# KiCad board panel_rp2354_20x20.kicad_pcb
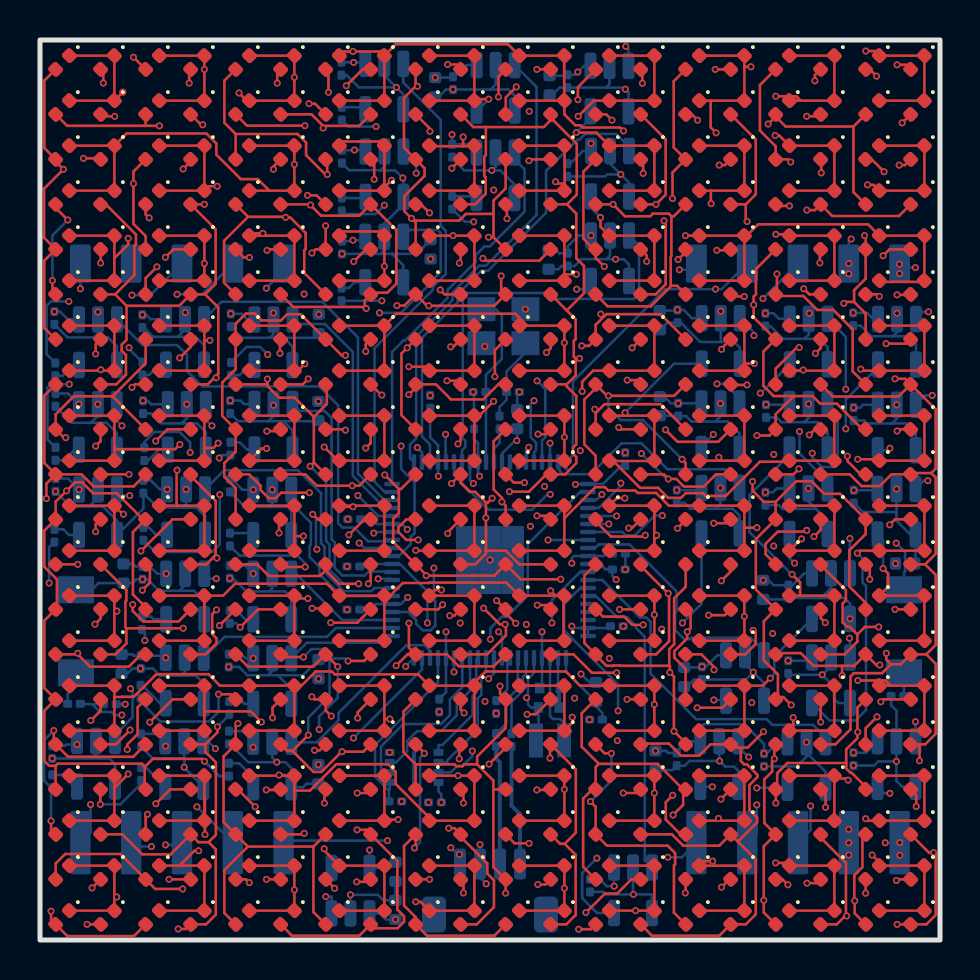
[diagram p0: board, top side]
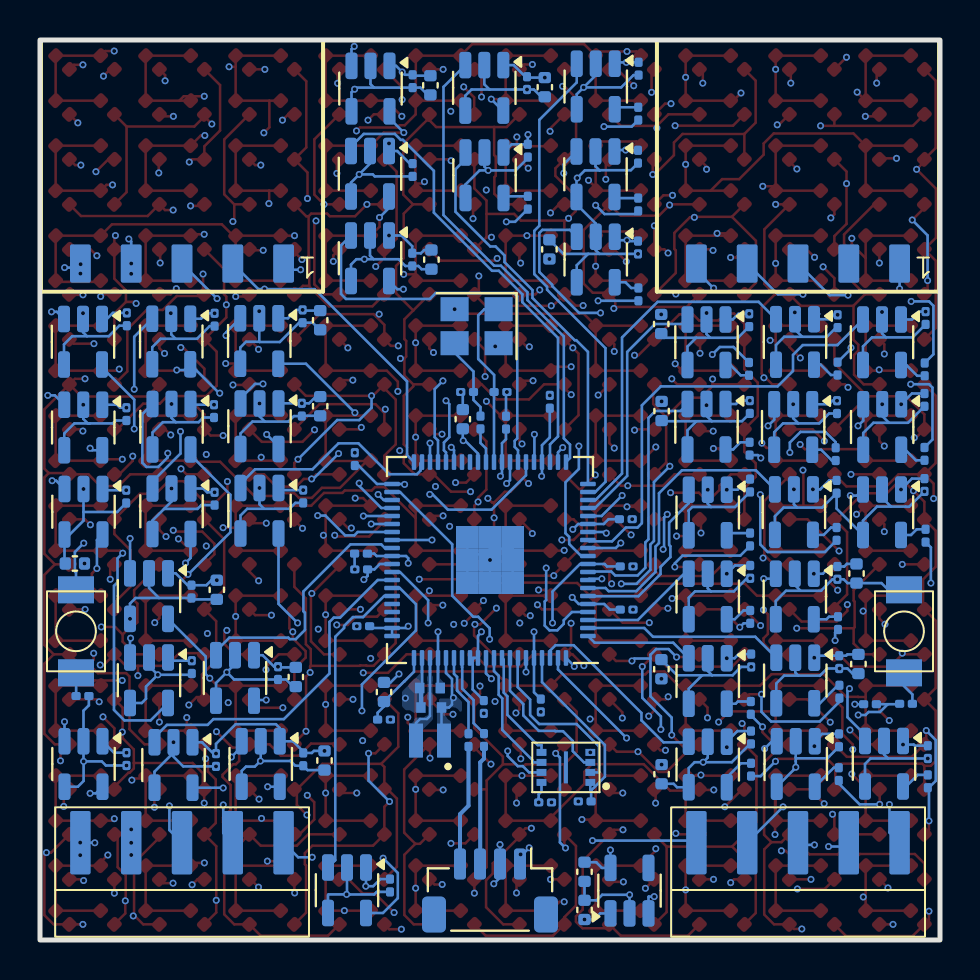
[diagram p1: board, bottom side, seen from below]

Outline 45 x 45 mm; copper layers: Top, In1.Cu (plane), In2.Cu (plane), In3.Cu, In4.Cu, Bottom. Coordinates in mm from the lower left corner of the outline.
Outline path: rectangle 0,45 45,0
Stack: Top 0.035mm / dielectric 0.1mm FR4 er 4.5 / In1.Cu 0.035mm / dielectric 0.535mm FR4 er 4.5 / In2.Cu 0.035mm / dielectric 0.1mm FR4 er 4.5 / In3.Cu 0.035mm / dielectric 0.535mm FR4 er 4.5 / In4.Cu 0.035mm / dielectric 0.1mm FR4 er 4.5 / Bottom 0.035mm

## Placement (name value [footprint] x y rotation side)
C1  15pF  [C_0201_0603Metric]  21.97 27.4 180 bottom
C2  15pF  [C_0201_0603Metric]  23.64 27.4 0 bottom
C3  100nF  [C_0201_0603Metric]  19.75 6.88 180 bottom
C4  4.7uF  [C_0402_1005Metric_small_pads]  25.5 12.6 0 bottom
C5  4.7uF  [C_0402_1005Metric_small_pads]  25.44 11.62 0 bottom
C6  100nF  [C_0201_0603Metric]  15.67 18.68 180 bottom
C7  4.7uF  [C_0402_1005Metric]  27.8 12.4 90 bottom
C8  4.7uF  [C_0402_1005Metric]  23.86 26.04 90 bottom
C9  100nF  [C_0201_0603Metric]  28.94 18.53 0 bottom
C10  100nF  [C_0201_0603Metric]  15.67 16.52 180 bottom
C11  100nF  [C_0201_0603Metric]  15.71 21.04 180 bottom
C12  100nF  [C_0201_0603Metric]  19.51 26.91 90 bottom
C13  100nF  [C_0201_0603Metric]  21.7 25.87 90 bottom
C14  100nF  [C_0201_0603Metric]  29.26 24.05 90 bottom
C15  100nF  [C_0201_0603Metric]  28.95 19.32 0 bottom
C16  100nF  [C_0201_0603Metric]  28.84 15.69 0 bottom
C17  100nF  [C_0201_0603Metric]  22.81 11.65 270 bottom
C18  100nF  [C_0201_0603Metric]  19.96 11.72 270 bottom
C19  100nF  [C_0201_0603Metric]  9.45 10.12 270 bottom
C20  100nF  [C_0201_0603Metric]  5.05 9.98 270 bottom
C21  100nF  [C_0201_0603Metric]  0.61 9.39 270 bottom
C22  100nF  [C_0201_0603Metric]  9.44 13.97 270 bottom
C23  100nF  [C_0201_0603Metric]  5.04 13.89 270 bottom
C24  100nF  [C_0201_0603Metric]  9.49 18.41 270 bottom
C25  100nF  [C_0201_0603Metric]  5.13 18.36 270 bottom
C26  100nF  [C_0201_0603Metric]  9.5 22.72 270 bottom
C27  100nF  [C_0201_0603Metric]  5.17 22.66 270 bottom
C28  100nF  [C_0201_0603Metric]  0.77 22.75 270 bottom
C29  100nF  [C_0201_0603Metric]  9.51 26.65 270 bottom
C30  100nF  [C_0201_0603Metric]  5.15 26.64 270 bottom
C31  100nF  [C_0201_0603Metric]  0.77 27 270 bottom
C32  100nF  [C_0201_0603Metric]  0.72 31.1 270 bottom
C33  100nF  [C_0201_0603Metric]  15.1 39.16 270 bottom
C34  100nF  [C_0201_0603Metric]  15.1 34.62 270 bottom
C35  100nF  [C_0201_0603Metric]  9.54 30.99 270 bottom
C36  100nF  [C_0201_0603Metric]  5.12 30.94 270 bottom
C37  100nF  [C_0201_0603Metric]  15.07 43.56 270 bottom
C38  100nF  [C_0201_0603Metric]  20.61 39.47 270 bottom
C39  100nF  [C_0201_0603Metric]  20.65 42.84 270 bottom
C40  100nF  [C_0201_0603Metric]  26.37 42.94 270 bottom
C41  100nF  [C_0201_0603Metric]  26.37 38.5 270 bottom
C42  100nF  [C_0201_0603Metric]  36.27 31.02 270 bottom
C43  100nF  [C_0201_0603Metric]  31.87 31.19 270 bottom
C44  100nF  [C_0201_0603Metric]  26.39 34.02 270 bottom
C45  100nF  [C_0201_0603Metric]  36.3 26.44 270 bottom
C46  100nF  [C_0201_0603Metric]  31.91 26.52 270 bottom
C47  100nF  [C_0201_0603Metric]  40.66 31.03 270 bottom
C48  100nF  [C_0201_0603Metric]  36.27 22.06 270 bottom
C49  100nF  [C_0201_0603Metric]  31.84 22.17 270 bottom
C50  100nF  [C_0201_0603Metric]  40.68 26.3 270 bottom
C51  100nF  [C_0201_0603Metric]  37.42 17.42 270 bottom
C52  100nF  [C_0201_0603Metric]  40.69 22.17 270 bottom
C53  100nF  [C_0201_0603Metric]  37.41 13.64 270 bottom
C54  100nF  [C_0201_0603Metric]  33.1 13.34 270 bottom
C55  100nF  [C_0201_0603Metric]  40.67 9.05 270 bottom
C56  100nF  [C_0201_0603Metric]  36.2 9 270 bottom
C57  100nF  [C_0201_0603Metric]  31.84 9.03 270 bottom
C58  100nF  [C_0201_0603Metric]  27.5 2.72 270 bottom
C59  10uF  [C_0402_1005Metric]  4.17 18.33 270 bottom
C60  10uF  [C_0402_1005Metric]  19.53 34.53 90 bottom
C61  10uF  [C_0402_1005Metric]  32.21 13.15 270 bottom
C62  10uF  [C_0402_1005Metric]  4.08 13.8 270 bottom
C63  10uF  [C_0402_1005Metric]  36.16 17.51 270 bottom
C64  10uF  [C_0402_1005Metric]  13.93 13.54 90 bottom
C65  10uF  [C_0402_1005Metric]  30.78 8.97 270 bottom
C66  10uF  [C_0402_1005Metric]  13.92 8.29 270 bottom
C67  10uF  [C_0402_1005Metric]  17.78 1.5 90 bottom
C68  10uF  [C_0402_1005Metric]  17.78 3.41 270 bottom
C69  10uF  [C_0402_1005Metric]  19.76 42.64 270 bottom
C70  10uF  [C_0402_1005Metric]  25.48 42.73 270 bottom
C71  10uF  [C_0402_1005Metric]  30.99 26.69 270 bottom
C72  10uF  [C_0402_1005Metric]  30.99 30.99 270 bottom
C73  10uF  [C_0402_1005Metric]  25.43 34.02 270 bottom
C74  10uF  [C_0402_1005Metric]  13.94 30.8 270 bottom
C75  10uF  [C_0402_1005Metric]  13.92 26.45 270 bottom
C76  10uF  [C_0402_1005Metric]  43.25 18.83 0 bottom
D1  LED_T0  [LED_0402_1005Metric]  1.12 43.88 225 top
D2  LED  [LED_0402_1005Metric]  1.12 39.38 225 top
D3  LED  [LED_0402_1005Metric]  1.12 34.88 225 top
D4  LED  [LED_0402_1005Metric]  1.12 30.38 225 top
D5  LED  [LED_0402_1005Metric]  1.12 25.88 225 top
D6  LED  [LED_0402_1005Metric]  1.12 21.38 225 top
D7  LED  [LED_0402_1005Metric]  1.12 16.88 225 top
D8  LED  [LED_0402_1005Metric]  1.12 12.38 225 top
D9  LED  [LED_0402_1005Metric]  1.12 7.88 225 top
D10  LED  [LED_0402_1005Metric]  1.12 3.38 225 top
D11  LED  [LED_0402_1005Metric]  5.62 3.38 225 top
D12  LED  [LED_0402_1005Metric]  5.62 7.88 225 top
D13  LED  [LED_0402_1005Metric]  5.62 12.38 225 top
D14  LED  [LED_0402_1005Metric]  5.62 16.88 225 top
D15  LED  [LED_0402_1005Metric]  5.62 21.38 225 top
D16  LED  [LED_0402_1005Metric]  5.62 25.88 225 top
D17  LED  [LED_0402_1005Metric]  5.62 30.38 225 top
D18  LED  [LED_0402_1005Metric]  5.62 34.88 225 top
D19  LED  [LED_0402_1005Metric]  5.62 39.38 225 top
D20  LED  [LED_0402_1005Metric]  5.62 43.88 225 top
D21  LED  [LED_0402_1005Metric]  3.38 43.88 225 top
D22  LED  [LED_0402_1005Metric]  3.38 39.38 225 top
D23  LED  [LED_0402_1005Metric]  3.38 34.88 225 top
D24  LED  [LED_0402_1005Metric]  3.38 30.38 225 top
D25  LED  [LED_0402_1005Metric]  3.38 25.88 225 top
D26  LED  [LED_0402_1005Metric]  3.38 21.38 225 top
D27  LED  [LED_0402_1005Metric]  3.38 16.88 225 top
D28  LED  [LED_0402_1005Metric]  3.38 12.38 225 top
D29  LED  [LED_0402_1005Metric]  3.38 7.88 225 top
D30  LED  [LED_0402_1005Metric]  3.38 3.38 225 top
D31  LED  [LED_0402_1005Metric]  7.88 3.38 225 top
D32  LED  [LED_0402_1005Metric]  7.88 7.88 225 top
D33  LED  [LED_0402_1005Metric]  7.88 12.38 225 top
D34  LED  [LED_0402_1005Metric]  7.88 16.88 225 top
D35  LED  [LED_0402_1005Metric]  7.88 21.38 225 top
D36  LED  [LED_0402_1005Metric]  7.88 25.88 225 top
D37  LED  [LED_0402_1005Metric]  7.88 30.38 225 top
D38  LED  [LED_0402_1005Metric]  7.88 34.88 225 top
D39  LED  [LED_0402_1005Metric]  7.88 39.38 225 top
D40  LED  [LED_0402_1005Metric]  7.88 43.88 225 top
D41  LED  [LED_0402_1005Metric]  1.12 41.62 225 top
D42  LED  [LED_0402_1005Metric]  1.12 37.12 225 top
D43  LED  [LED_0402_1005Metric]  1.12 32.62 225 top
D44  LED  [LED_0402_1005Metric]  1.12 28.12 225 top
D45  LED  [LED_0402_1005Metric]  1.12 23.62 225 top
D46  LED  [LED_0402_1005Metric]  1.12 19.12 225 top
D47  LED  [LED_0402_1005Metric]  1.12 14.62 225 top
D48  LED  [LED_0402_1005Metric]  1.12 10.12 225 top
D49  LED  [LED_0402_1005Metric]  1.12 5.62 225 top
D50  LED  [LED_0402_1005Metric]  1.12 1.12 225 top
D51  LED  [LED_0402_1005Metric]  5.62 1.12 225 top
D52  LED  [LED_0402_1005Metric]  5.62 5.62 225 top
D53  LED  [LED_0402_1005Metric]  5.62 10.12 225 top
D54  LED  [LED_0402_1005Metric]  5.62 14.62 225 top
D55  LED  [LED_0402_1005Metric]  5.62 19.12 225 top
D56  LED  [LED_0402_1005Metric]  5.62 23.62 225 top
D57  LED  [LED_0402_1005Metric]  5.62 28.12 225 top
D58  LED  [LED_0402_1005Metric]  5.62 32.62 225 top
D59  LED  [LED_0402_1005Metric]  5.62 37.12 225 top
D60  LED  [LED_0402_1005Metric]  5.62 41.62 225 top
D61  LED  [LED_0402_1005Metric]  3.38 41.62 225 top
D62  LED  [LED_0402_1005Metric]  3.38 37.12 225 top
D63  LED  [LED_0402_1005Metric]  3.38 32.62 225 top
D64  LED  [LED_0402_1005Metric]  3.38 28.12 225 top
D65  LED  [LED_0402_1005Metric]  3.38 23.62 225 top
D66  LED  [LED_0402_1005Metric]  3.38 19.12 225 top
D67  LED  [LED_0402_1005Metric]  3.38 14.62 225 top
D68  LED  [LED_0402_1005Metric]  3.38 10.12 225 top
D69  LED  [LED_0402_1005Metric]  3.38 5.62 225 top
D70  LED  [LED_0402_1005Metric]  3.38 1.12 225 top
D71  LED  [LED_0402_1005Metric]  7.88 1.12 225 top
D72  LED  [LED_0402_1005Metric]  7.88 5.62 225 top
D73  LED  [LED_0402_1005Metric]  7.88 10.12 225 top
D74  LED  [LED_0402_1005Metric]  7.88 14.62 225 top
D75  LED  [LED_0402_1005Metric]  7.88 19.12 225 top
D76  LED  [LED_0402_1005Metric]  7.88 23.62 225 top
D77  LED  [LED_0402_1005Metric]  7.88 28.12 225 top
D78  LED  [LED_0402_1005Metric]  7.88 32.62 225 top
D79  LED  [LED_0402_1005Metric]  7.88 37.12 225 top
D80  LED  [LED_0402_1005Metric]  7.88 41.62 225 top
D81  LED  [LED_0402_1005Metric]  10.12 43.88 225 top
D82  LED  [LED_0402_1005Metric]  10.12 39.38 225 top
D83  LED  [LED_0402_1005Metric]  10.12 34.88 225 top
D84  LED  [LED_0402_1005Metric]  10.12 30.38 225 top
D85  LED  [LED_0402_1005Metric]  10.12 25.88 225 top
D86  LED  [LED_0402_1005Metric]  10.12 21.38 225 top
D87  LED  [LED_0402_1005Metric]  10.12 16.88 225 top
D88  LED  [LED_0402_1005Metric]  10.12 12.38 225 top
D89  LED  [LED_0402_1005Metric]  10.12 7.88 225 top
D90  LED  [LED_0402_1005Metric]  10.12 3.38 225 top
D91  LED  [LED_0402_1005Metric]  14.62 3.38 225 top
D92  LED  [LED_0402_1005Metric]  14.62 7.88 225 top
D93  LED  [LED_0402_1005Metric]  14.62 12.38 225 top
D94  LED  [LED_0402_1005Metric]  14.62 16.88 225 top
D95  LED  [LED_0402_1005Metric]  14.62 21.38 225 top
D96  LED  [LED_0402_1005Metric]  14.62 25.88 225 top
D97  LED  [LED_0402_1005Metric]  14.62 30.38 225 top
D98  LED  [LED_0402_1005Metric]  14.62 34.88 225 top
D99  LED  [LED_0402_1005Metric]  14.62 39.38 225 top
D100  LED  [LED_0402_1005Metric]  14.62 43.88 225 top
D101  LED  [LED_0402_1005Metric]  12.38 43.88 225 top
D102  LED  [LED_0402_1005Metric]  12.38 39.38 225 top
D103  LED  [LED_0402_1005Metric]  12.38 34.88 225 top
D104  LED  [LED_0402_1005Metric]  12.38 30.38 225 top
D105  LED  [LED_0402_1005Metric]  12.38 25.88 225 top
D106  LED  [LED_0402_1005Metric]  12.38 21.38 225 top
D107  LED  [LED_0402_1005Metric]  12.38 16.88 225 top
D108  LED  [LED_0402_1005Metric]  12.38 12.38 225 top
D109  LED  [LED_0402_1005Metric]  12.38 7.88 225 top
D110  LED  [LED_0402_1005Metric]  12.38 3.38 225 top
D111  LED  [LED_0402_1005Metric]  16.88 3.38 225 top
D112  LED  [LED_0402_1005Metric]  16.88 7.88 225 top
D113  LED  [LED_0402_1005Metric]  16.88 12.38 225 top
D114  LED  [LED_0402_1005Metric]  16.88 16.88 225 top
D115  LED  [LED_0402_1005Metric]  16.88 21.38 225 top
D116  LED  [LED_0402_1005Metric]  16.88 25.88 225 top
D117  LED  [LED_0402_1005Metric]  16.88 30.38 225 top
D118  LED  [LED_0402_1005Metric]  16.88 34.88 225 top
D119  LED  [LED_0402_1005Metric]  16.88 39.38 225 top
D120  LED  [LED_0402_1005Metric]  16.88 43.88 225 top
D121  LED  [LED_0402_1005Metric]  10.12 41.62 225 top
D122  LED  [LED_0402_1005Metric]  10.12 37.12 225 top
D123  LED  [LED_0402_1005Metric]  10.12 32.62 225 top
D124  LED  [LED_0402_1005Metric]  10.12 28.12 225 top
D125  LED  [LED_0402_1005Metric]  10.12 23.62 225 top
D126  LED  [LED_0402_1005Metric]  10.12 19.12 225 top
D127  LED  [LED_0402_1005Metric]  10.12 14.62 225 top
D128  LED  [LED_0402_1005Metric]  10.12 10.12 225 top
D129  LED  [LED_0402_1005Metric]  10.12 5.62 225 top
D130  LED  [LED_0402_1005Metric]  10.12 1.12 225 top
D131  LED  [LED_0402_1005Metric]  14.62 1.12 225 top
D132  LED  [LED_0402_1005Metric]  14.62 5.62 225 top
D133  LED  [LED_0402_1005Metric]  14.62 10.12 225 top
D134  LED  [LED_0402_1005Metric]  14.62 14.62 225 top
D135  LED  [LED_0402_1005Metric]  14.62 19.12 225 top
D136  LED  [LED_0402_1005Metric]  14.62 23.62 225 top
D137  LED  [LED_0402_1005Metric]  14.62 28.12 225 top
D138  LED  [LED_0402_1005Metric]  14.62 32.62 225 top
D139  LED  [LED_0402_1005Metric]  14.62 37.12 225 top
D140  LED  [LED_0402_1005Metric]  14.62 41.62 225 top
D141  LED  [LED_0402_1005Metric]  12.38 41.62 225 top
D142  LED  [LED_0402_1005Metric]  12.38 37.12 225 top
D143  LED  [LED_0402_1005Metric]  12.38 32.62 225 top
D144  LED  [LED_0402_1005Metric]  12.38 28.12 225 top
D145  LED  [LED_0402_1005Metric]  12.38 23.62 225 top
D146  LED  [LED_0402_1005Metric]  12.38 19.12 225 top
D147  LED  [LED_0402_1005Metric]  12.38 14.62 225 top
D148  LED  [LED_0402_1005Metric]  12.38 10.12 225 top
D149  LED  [LED_0402_1005Metric]  12.38 5.62 225 top
D150  LED  [LED_0402_1005Metric]  12.38 1.12 225 top
D151  LED  [LED_0402_1005Metric]  16.88 1.12 225 top
D152  LED  [LED_0402_1005Metric]  16.88 5.62 225 top
D153  LED  [LED_0402_1005Metric]  16.88 10.12 225 top
D154  LED  [LED_0402_1005Metric]  16.88 14.62 225 top
D155  LED  [LED_0402_1005Metric]  16.88 19.12 225 top
D156  LED  [LED_0402_1005Metric]  16.88 23.62 225 top
D157  LED  [LED_0402_1005Metric]  16.88 28.12 225 top
D158  LED  [LED_0402_1005Metric]  16.88 32.62 225 top
D159  LED  [LED_0402_1005Metric]  16.88 37.12 225 top
D160  LED  [LED_0402_1005Metric]  16.88 41.62 225 top
D161  LED  [LED_0402_1005Metric]  19.12 43.88 225 top
D162  LED  [LED_0402_1005Metric]  19.12 39.38 225 top
D163  LED  [LED_0402_1005Metric]  19.12 34.88 225 top
D164  LED  [LED_0402_1005Metric]  19.12 30.38 225 top
D165  LED  [LED_0402_1005Metric]  19.12 25.88 225 top
D166  LED  [LED_0402_1005Metric]  19.12 21.38 225 top
D167  LED  [LED_0402_1005Metric]  19.12 16.88 225 top
D168  LED  [LED_0402_1005Metric]  19.12 12.38 225 top
D169  LED  [LED_0402_1005Metric]  19.12 7.88 225 top
D170  LED  [LED_0402_1005Metric]  19.12 3.38 225 top
D171  LED  [LED_0402_1005Metric]  23.62 3.38 225 top
D172  LED  [LED_0402_1005Metric]  23.62 7.88 225 top
D173  LED  [LED_0402_1005Metric]  23.62 12.38 225 top
D174  LED  [LED_0402_1005Metric]  23.62 16.88 225 top
D175  LED  [LED_0402_1005Metric]  23.62 21.38 225 top
D176  LED  [LED_0402_1005Metric]  23.62 25.88 225 top
D177  LED  [LED_0402_1005Metric]  23.62 30.38 225 top
D178  LED  [LED_0402_1005Metric]  23.62 34.88 225 top
D179  LED  [LED_0402_1005Metric]  23.62 39.38 225 top
D180  LED  [LED_0402_1005Metric]  23.62 43.88 225 top
D181  LED  [LED_0402_1005Metric]  21.38 43.88 225 top
D182  LED  [LED_0402_1005Metric]  21.38 39.38 225 top
D183  LED  [LED_0402_1005Metric]  21.38 34.88 225 top
D184  LED  [LED_0402_1005Metric]  21.38 30.38 225 top
D185  LED  [LED_0402_1005Metric]  21.38 25.88 225 top
D186  LED  [LED_0402_1005Metric]  21.38 21.38 225 top
D187  LED  [LED_0402_1005Metric]  21.38 16.88 225 top
D188  LED  [LED_0402_1005Metric]  21.38 12.38 225 top
D189  LED  [LED_0402_1005Metric]  21.38 7.88 225 top
D190  LED  [LED_0402_1005Metric]  21.38 3.38 225 top
D191  LED  [LED_0402_1005Metric]  25.88 3.38 225 top
D192  LED  [LED_0402_1005Metric]  25.88 7.88 225 top
D193  LED  [LED_0402_1005Metric]  25.88 12.38 225 top
D194  LED  [LED_0402_1005Metric]  25.88 16.88 225 top
D195  LED  [LED_0402_1005Metric]  25.88 21.38 225 top
D196  LED  [LED_0402_1005Metric]  25.88 25.88 225 top
D197  LED  [LED_0402_1005Metric]  25.88 30.38 225 top
D198  LED  [LED_0402_1005Metric]  25.88 34.88 225 top
D199  LED  [LED_0402_1005Metric]  25.88 39.38 225 top
D200  LED  [LED_0402_1005Metric]  25.88 43.88 225 top
D201  LED  [LED_0402_1005Metric]  19.12 41.62 225 top
D202  LED  [LED_0402_1005Metric]  19.12 37.12 225 top
D203  LED  [LED_0402_1005Metric]  19.12 32.62 225 top
D204  LED  [LED_0402_1005Metric]  19.12 28.12 225 top
D205  LED  [LED_0402_1005Metric]  19.12 23.62 225 top
D206  LED  [LED_0402_1005Metric]  19.12 19.12 225 top
D207  LED  [LED_0402_1005Metric]  19.12 14.62 225 top
D208  LED  [LED_0402_1005Metric]  19.12 10.12 225 top
D209  LED  [LED_0402_1005Metric]  19.12 5.62 225 top
D210  LED  [LED_0402_1005Metric]  19.12 1.12 225 top
D211  LED  [LED_0402_1005Metric]  23.62 1.12 225 top
D212  LED  [LED_0402_1005Metric]  23.62 5.62 225 top
D213  LED  [LED_0402_1005Metric]  23.62 10.12 225 top
D214  LED  [LED_0402_1005Metric]  23.62 14.62 225 top
D215  LED  [LED_0402_1005Metric]  23.62 19.12 225 top
D216  LED  [LED_0402_1005Metric]  23.62 23.62 225 top
D217  LED  [LED_0402_1005Metric]  23.62 28.12 225 top
D218  LED  [LED_0402_1005Metric]  23.62 32.62 225 top
D219  LED  [LED_0402_1005Metric]  23.62 37.12 225 top
D220  LED  [LED_0402_1005Metric]  23.62 41.62 225 top
D221  LED  [LED_0402_1005Metric]  21.38 41.62 225 top
D222  LED  [LED_0402_1005Metric]  21.38 37.12 225 top
D223  LED  [LED_0402_1005Metric]  21.38 32.62 225 top
D224  LED  [LED_0402_1005Metric]  21.38 28.12 225 top
D225  LED  [LED_0402_1005Metric]  21.38 23.62 225 top
D226  LED  [LED_0402_1005Metric]  21.38 19.12 225 top
D227  LED  [LED_0402_1005Metric]  21.38 14.62 225 top
D228  LED  [LED_0402_1005Metric]  21.38 10.12 225 top
D229  LED  [LED_0402_1005Metric]  21.38 5.62 225 top
D230  LED  [LED_0402_1005Metric]  21.38 1.12 225 top
D231  LED  [LED_0402_1005Metric]  25.88 1.12 225 top
D232  LED  [LED_0402_1005Metric]  25.88 5.62 225 top
D233  LED  [LED_0402_1005Metric]  25.88 10.12 225 top
D234  LED  [LED_0402_1005Metric]  25.88 14.62 225 top
D235  LED  [LED_0402_1005Metric]  25.88 19.12 225 top
D236  LED  [LED_0402_1005Metric]  25.88 23.62 225 top
D237  LED  [LED_0402_1005Metric]  25.88 28.12 225 top
D238  LED  [LED_0402_1005Metric]  25.88 32.62 225 top
D239  LED  [LED_0402_1005Metric]  25.88 37.12 225 top
D240  LED  [LED_0402_1005Metric]  25.88 41.62 225 top
D241  LED  [LED_0402_1005Metric]  28.12 43.88 225 top
D242  LED  [LED_0402_1005Metric]  28.12 39.38 225 top
D243  LED  [LED_0402_1005Metric]  28.12 34.88 225 top
D244  LED  [LED_0402_1005Metric]  28.12 30.38 225 top
D245  LED  [LED_0402_1005Metric]  28.12 25.88 225 top
D246  LED  [LED_0402_1005Metric]  28.12 21.38 225 top
D247  LED  [LED_0402_1005Metric]  28.12 16.88 225 top
D248  LED  [LED_0402_1005Metric]  28.12 12.38 225 top
D249  LED  [LED_0402_1005Metric]  28.12 7.88 225 top
D250  LED  [LED_0402_1005Metric]  28.12 3.38 225 top
D251  LED  [LED_0402_1005Metric]  32.62 3.38 225 top
D252  LED  [LED_0402_1005Metric]  32.62 7.88 225 top
D253  LED  [LED_0402_1005Metric]  32.62 12.38 225 top
D254  LED  [LED_0402_1005Metric]  32.62 16.88 225 top
D255  LED  [LED_0402_1005Metric]  32.62 21.38 225 top
D256  LED  [LED_0402_1005Metric]  32.62 25.88 225 top
D257  LED  [LED_0402_1005Metric]  32.62 30.38 225 top
D258  LED  [LED_0402_1005Metric]  32.62 34.88 225 top
D259  LED  [LED_0402_1005Metric]  32.62 39.38 225 top
D260  LED  [LED_0402_1005Metric]  32.62 43.88 225 top
D261  LED  [LED_0402_1005Metric]  30.38 43.88 225 top
D262  LED  [LED_0402_1005Metric]  30.38 39.38 225 top
D263  LED  [LED_0402_1005Metric]  30.38 34.88 225 top
D264  LED  [LED_0402_1005Metric]  30.38 30.38 225 top
D265  LED  [LED_0402_1005Metric]  30.38 25.88 225 top
D266  LED  [LED_0402_1005Metric]  30.38 21.38 225 top
D267  LED  [LED_0402_1005Metric]  30.38 16.88 225 top
D268  LED  [LED_0402_1005Metric]  30.38 12.38 225 top
D269  LED  [LED_0402_1005Metric]  30.38 7.88 225 top
D270  LED  [LED_0402_1005Metric]  30.38 3.38 225 top
D271  LED  [LED_0402_1005Metric]  34.88 3.38 225 top
D272  LED  [LED_0402_1005Metric]  34.88 7.88 225 top
D273  LED  [LED_0402_1005Metric]  34.88 12.38 225 top
D274  LED  [LED_0402_1005Metric]  34.88 16.88 225 top
D275  LED  [LED_0402_1005Metric]  34.88 21.38 225 top
D276  LED  [LED_0402_1005Metric]  34.88 25.88 225 top
D277  LED  [LED_0402_1005Metric]  34.88 30.38 225 top
D278  LED  [LED_0402_1005Metric]  34.88 34.88 225 top
D279  LED  [LED_0402_1005Metric]  34.88 39.38 225 top
D280  LED  [LED_0402_1005Metric]  34.88 43.88 225 top
D281  LED  [LED_0402_1005Metric]  28.12 41.62 225 top
D282  LED  [LED_0402_1005Metric]  28.12 37.12 225 top
D283  LED  [LED_0402_1005Metric]  28.12 32.62 225 top
D284  LED  [LED_0402_1005Metric]  28.12 28.12 225 top
D285  LED  [LED_0402_1005Metric]  28.12 23.62 225 top
D286  LED  [LED_0402_1005Metric]  28.12 19.12 225 top
D287  LED  [LED_0402_1005Metric]  28.12 14.62 225 top
D288  LED  [LED_0402_1005Metric]  28.12 10.12 225 top
D289  LED  [LED_0402_1005Metric]  28.12 5.62 225 top
D290  LED  [LED_0402_1005Metric]  28.12 1.12 225 top
D291  LED  [LED_0402_1005Metric]  32.62 1.12 225 top
D292  LED  [LED_0402_1005Metric]  32.62 5.62 225 top
D293  LED  [LED_0402_1005Metric]  32.62 10.12 225 top
D294  LED  [LED_0402_1005Metric]  32.62 14.62 225 top
D295  LED  [LED_0402_1005Metric]  32.62 19.12 225 top
D296  LED  [LED_0402_1005Metric]  32.62 23.62 225 top
D297  LED  [LED_0402_1005Metric]  32.62 28.12 225 top
D298  LED  [LED_0402_1005Metric]  32.62 32.62 225 top
D299  LED  [LED_0402_1005Metric]  32.62 37.12 225 top
D300  LED  [LED_0402_1005Metric]  32.62 41.62 225 top
D301  LED  [LED_0402_1005Metric]  30.38 41.62 225 top
D302  LED  [LED_0402_1005Metric]  30.38 37.12 225 top
D303  LED  [LED_0402_1005Metric]  30.38 32.62 225 top
D304  LED  [LED_0402_1005Metric]  30.38 28.12 225 top
D305  LED  [LED_0402_1005Metric]  30.38 23.62 225 top
D306  LED  [LED_0402_1005Metric]  30.38 19.12 225 top
D307  LED  [LED_0402_1005Metric]  30.38 14.62 225 top
D308  LED  [LED_0402_1005Metric]  30.38 10.12 225 top
D309  LED  [LED_0402_1005Metric]  30.38 5.62 225 top
D310  LED  [LED_0402_1005Metric]  30.38 1.12 225 top
D311  LED  [LED_0402_1005Metric]  34.88 1.12 225 top
D312  LED  [LED_0402_1005Metric]  34.88 5.62 225 top
D313  LED  [LED_0402_1005Metric]  34.88 10.12 225 top
D314  LED  [LED_0402_1005Metric]  34.88 14.62 225 top
D315  LED  [LED_0402_1005Metric]  34.88 19.12 225 top
D316  LED  [LED_0402_1005Metric]  34.88 23.62 225 top
D317  LED  [LED_0402_1005Metric]  34.88 28.12 225 top
D318  LED  [LED_0402_1005Metric]  34.88 32.62 225 top
D319  LED  [LED_0402_1005Metric]  34.88 37.12 225 top
D320  LED  [LED_0402_1005Metric]  34.88 41.62 225 top
D321  LED  [LED_0402_1005Metric]  37.12 43.88 225 top
D322  LED  [LED_0402_1005Metric]  37.12 39.38 225 top
D323  LED  [LED_0402_1005Metric]  37.12 34.88 225 top
D324  LED  [LED_0402_1005Metric]  37.12 30.38 225 top
D325  LED  [LED_0402_1005Metric]  37.12 25.88 225 top
D326  LED  [LED_0402_1005Metric]  37.12 21.38 225 top
D327  LED  [LED_0402_1005Metric]  37.12 16.88 225 top
D328  LED  [LED_0402_1005Metric]  37.12 12.38 225 top
D329  LED  [LED_0402_1005Metric]  37.12 7.88 225 top
D330  LED  [LED_0402_1005Metric]  37.12 3.38 225 top
D331  LED  [LED_0402_1005Metric]  41.62 3.38 225 top
D332  LED  [LED_0402_1005Metric]  41.62 7.88 225 top
D333  LED  [LED_0402_1005Metric]  41.62 12.38 225 top
D334  LED  [LED_0402_1005Metric]  41.62 16.88 225 top
D335  LED  [LED_0402_1005Metric]  41.62 21.38 225 top
D336  LED  [LED_0402_1005Metric]  41.62 25.88 225 top
D337  LED  [LED_0402_1005Metric]  41.62 30.38 225 top
D338  LED  [LED_0402_1005Metric]  41.62 34.88 225 top
D339  LED  [LED_0402_1005Metric]  41.62 39.38 225 top
D340  LED  [LED_0402_1005Metric]  41.62 43.88 225 top
D341  LED  [LED_0402_1005Metric]  39.38 43.88 225 top
D342  LED  [LED_0402_1005Metric]  39.38 39.38 225 top
D343  LED  [LED_0402_1005Metric]  39.38 34.88 225 top
D344  LED  [LED_0402_1005Metric]  39.38 30.38 225 top
D345  LED  [LED_0402_1005Metric]  39.38 25.88 225 top
D346  LED  [LED_0402_1005Metric]  39.38 21.38 225 top
D347  LED  [LED_0402_1005Metric]  39.38 16.88 225 top
D348  LED  [LED_0402_1005Metric]  39.38 12.38 225 top
D349  LED  [LED_0402_1005Metric]  39.38 7.88 225 top
D350  LED  [LED_0402_1005Metric]  39.38 3.38 225 top
D351  LED  [LED_0402_1005Metric]  43.88 3.38 225 top
D352  LED  [LED_0402_1005Metric]  43.88 7.88 225 top
D353  LED  [LED_0402_1005Metric]  43.88 12.38 225 top
D354  LED  [LED_0402_1005Metric]  43.88 16.88 225 top
D355  LED  [LED_0402_1005Metric]  43.88 21.38 225 top
D356  LED  [LED_0402_1005Metric]  43.88 25.88 225 top
D357  LED  [LED_0402_1005Metric]  43.88 30.38 225 top
D358  LED  [LED_0402_1005Metric]  43.88 34.88 225 top
D359  LED  [LED_0402_1005Metric]  43.88 39.38 225 top
D360  LED  [LED_0402_1005Metric]  43.88 43.88 225 top
D361  LED  [LED_0402_1005Metric]  37.12 41.62 225 top
D362  LED  [LED_0402_1005Metric]  37.12 37.12 225 top
D363  LED  [LED_0402_1005Metric]  37.12 32.62 225 top
D364  LED  [LED_0402_1005Metric]  37.12 28.12 225 top
D365  LED  [LED_0402_1005Metric]  37.12 23.62 225 top
D366  LED  [LED_0402_1005Metric]  37.12 19.12 225 top
D367  LED  [LED_0402_1005Metric]  37.12 14.62 225 top
D368  LED  [LED_0402_1005Metric]  37.12 10.12 225 top
D369  LED  [LED_0402_1005Metric]  37.12 5.62 225 top
D370  LED  [LED_0402_1005Metric]  37.12 1.12 225 top
D371  LED  [LED_0402_1005Metric]  41.62 1.12 225 top
D372  LED  [LED_0402_1005Metric]  41.62 5.62 225 top
D373  LED  [LED_0402_1005Metric]  41.62 10.12 225 top
D374  LED  [LED_0402_1005Metric]  41.62 14.62 225 top
D375  LED  [LED_0402_1005Metric]  41.62 19.12 225 top
D376  LED  [LED_0402_1005Metric]  41.62 23.62 225 top
D377  LED  [LED_0402_1005Metric]  41.62 28.12 225 top
D378  LED  [LED_0402_1005Metric]  41.62 32.62 225 top
D379  LED  [LED_0402_1005Metric]  41.62 37.12 225 top
D380  LED  [LED_0402_1005Metric]  41.62 41.62 225 top
D381  LED  [LED_0402_1005Metric]  39.38 41.62 225 top
D382  LED  [LED_0402_1005Metric]  39.38 37.12 225 top
D383  LED  [LED_0402_1005Metric]  39.38 32.62 225 top
D384  LED  [LED_0402_1005Metric]  39.38 28.12 225 top
D385  LED  [LED_0402_1005Metric]  39.38 23.62 225 top
D386  LED  [LED_0402_1005Metric]  39.38 19.12 225 top
D387  LED  [LED_0402_1005Metric]  39.38 14.62 225 top
D388  LED  [LED_0402_1005Metric]  39.38 10.12 225 top
D389  LED  [LED_0402_1005Metric]  39.38 5.62 225 top
D390  LED  [LED_0402_1005Metric]  39.38 1.12 225 top
D391  LED  [LED_0402_1005Metric]  43.88 1.12 225 top
D392  LED  [LED_0402_1005Metric]  43.88 5.62 225 top
D393  LED  [LED_0402_1005Metric]  43.88 10.12 225 top
D394  LED  [LED_0402_1005Metric]  43.88 14.62 225 top
D395  LED  [LED_0402_1005Metric]  43.88 19.12 225 top
D396  LED  [LED_0402_1005Metric]  43.88 23.62 225 top
D397  LED  [LED_0402_1005Metric]  43.88 28.12 225 top
D398  LED  [LED_0402_1005Metric]  43.88 32.62 225 top
D399  LED  [LED_0402_1005Metric]  43.88 37.12 225 top
D400  LED  [LED_0402_1005Metric]  43.88 41.62 225 top
J1  Conn_01x04  [JST_SH_BM04B-SRSS-TB_1x04-1MP_P1.00mm_Vertical]  22.5 2.47 0 bottom
J2  Conn_01x05  [PinHeader_1x5_M20-8890545R]  37.9 4.86 0 bottom
J3  Conn_01x05  [PinHeader_1x5_M20-8890545R]  7.1 4.86 0 bottom